# Altium PCB paste1.PcbDoc (part 2 of 3)
Units mil, origin at the board's own origin, x right, y up, seen from the top; angles counter-clockwise.
Board outline 6785.03 x 6005.03 mil, 2 copper layers (Top Layer, Bottom Layer); 232 components, 0 nets, 1158 pads, 462 vias.
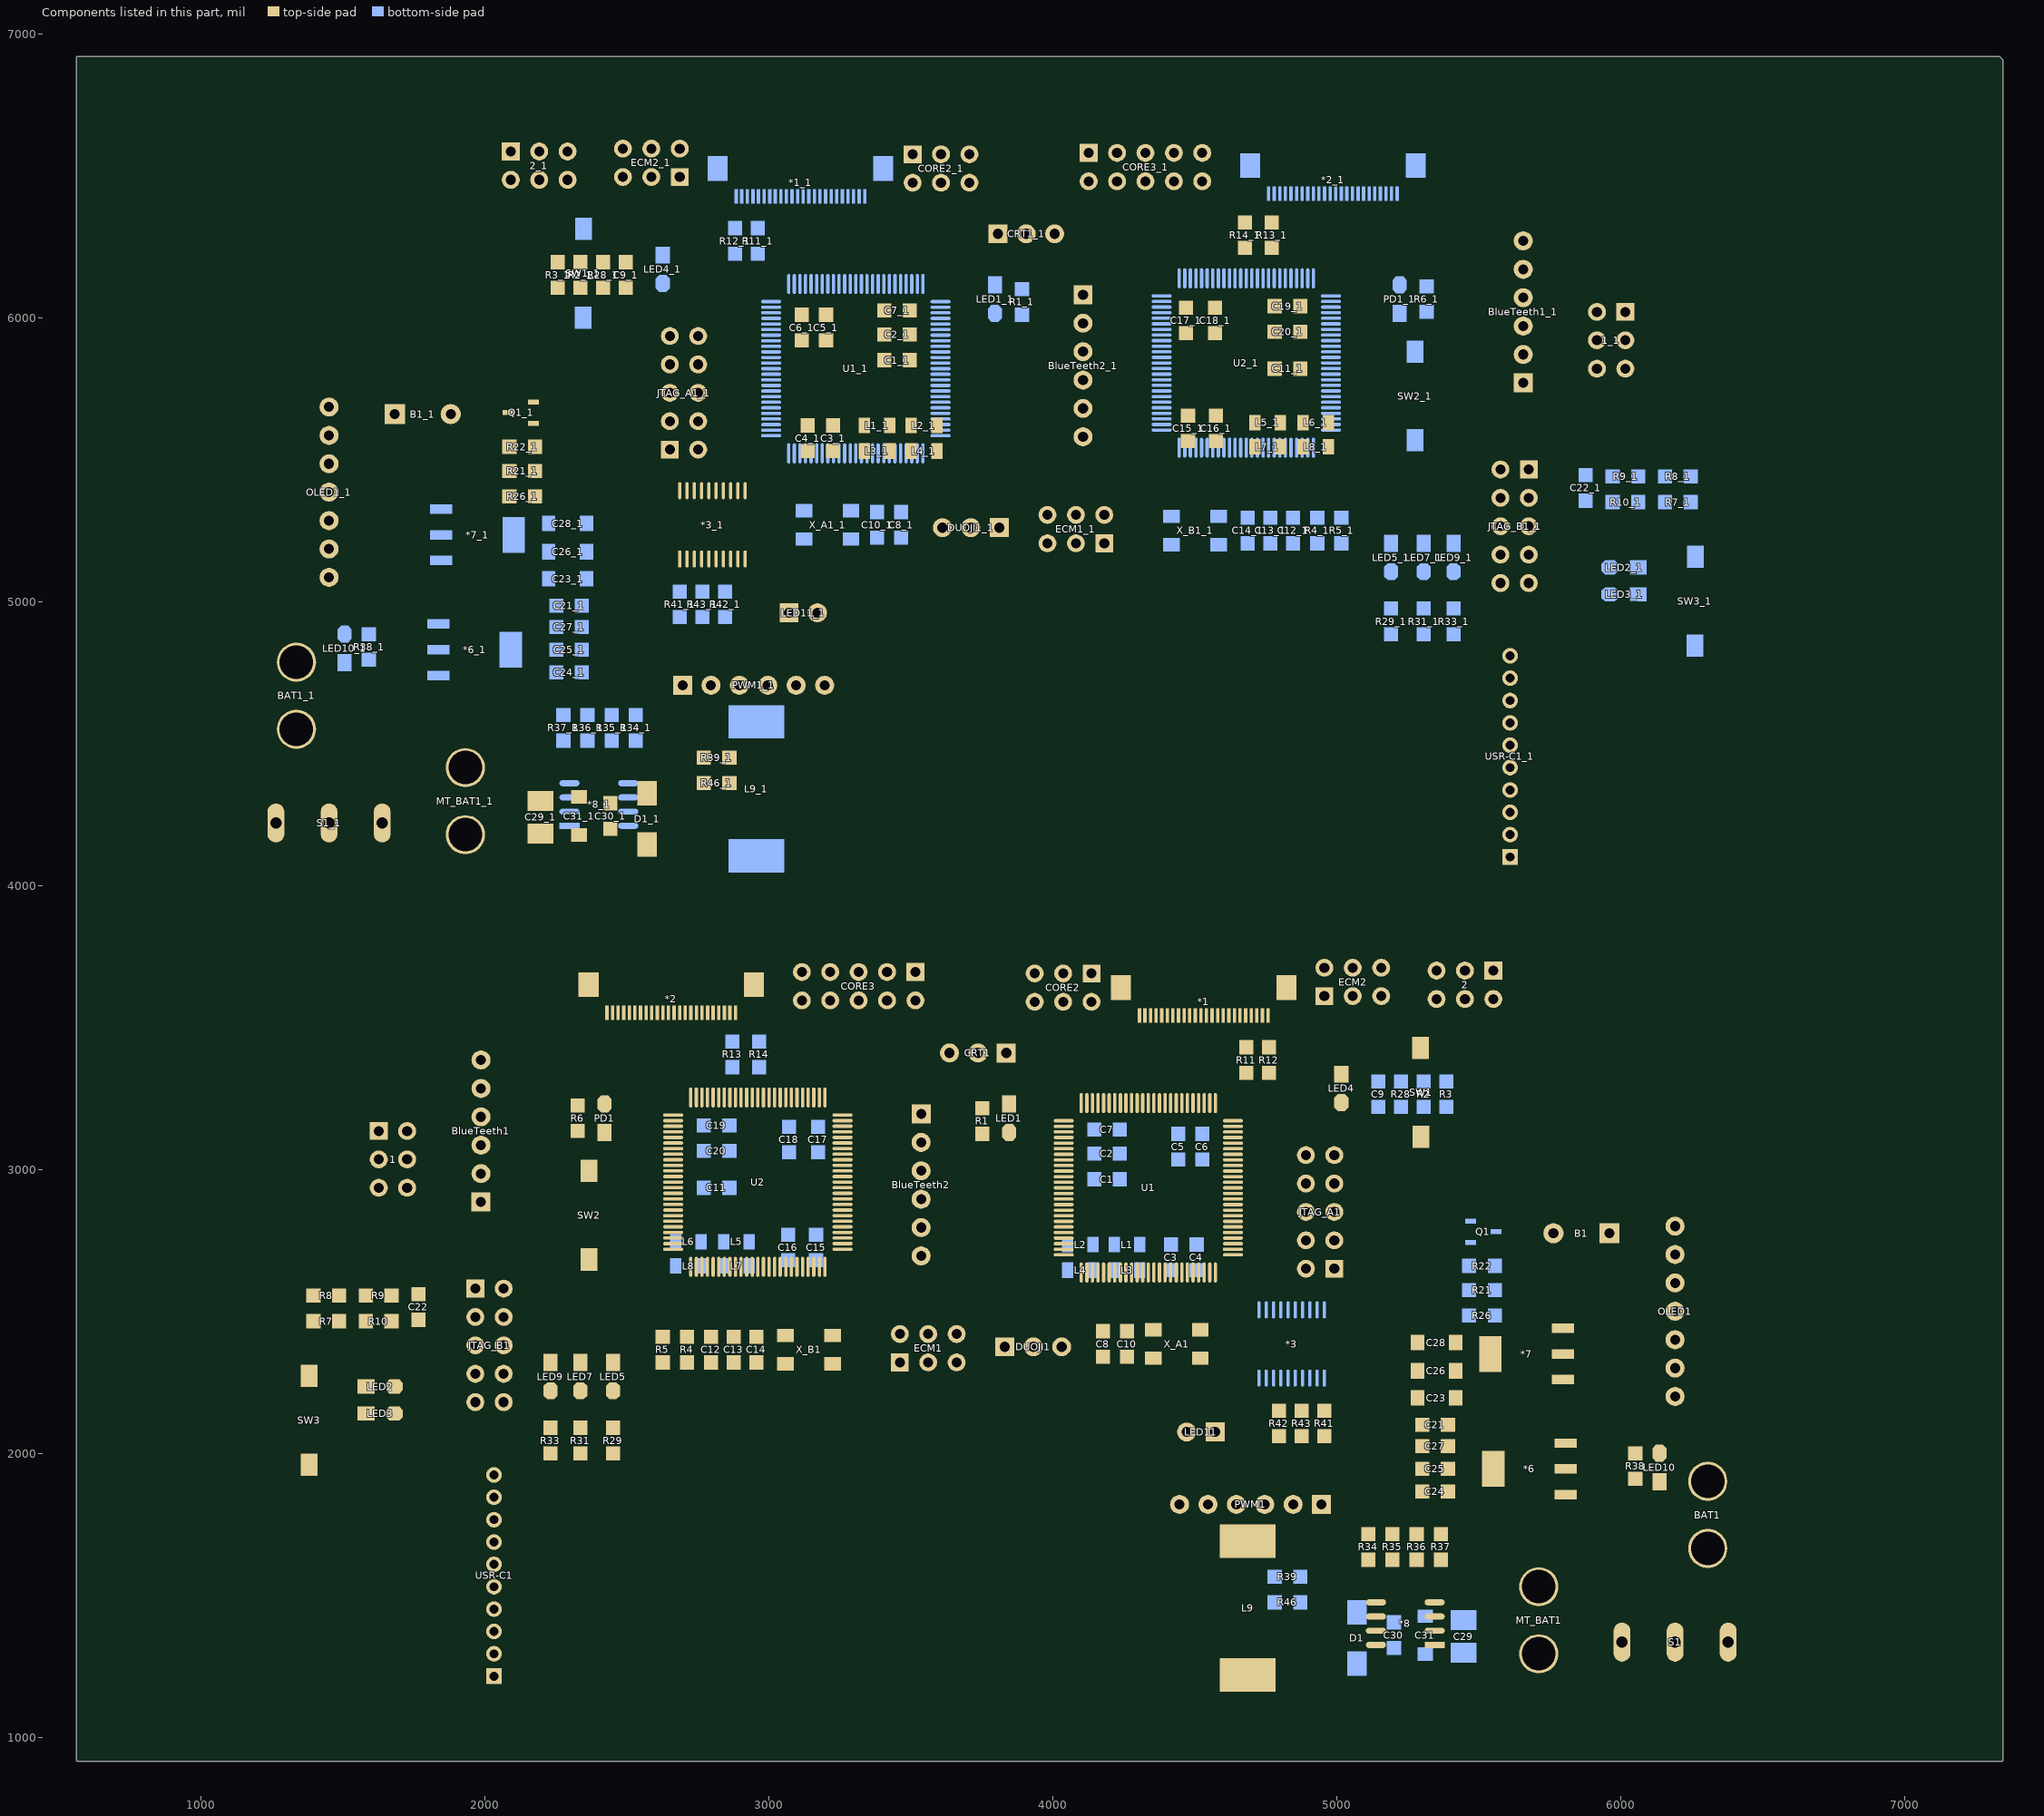
[diagram p2: the components of this part, seen from the top]

## Via types
v1: diameter 23.62, hole 11.81, Top Layer to Bottom Layer, tented both sides, 456 vias
v2: diameter 177.17, hole 157.48, Top Layer to Bottom Layer, tented both sides, 6 vias

## Nets (pads, with @x,y where several pads share a name; then routed paths per layer and width w, separated by ;. In a path a pad name is that pad's centre, name@x,y a point inside that pad or via, vN(x,y) a via of type N, cw(c..) or ccw(c..) an arc to the next point about the centre after c; other vN are vias at no path point) (continued)
copper on no net: | length 318232.1
  Top Layer w10: 1379.21,2272.31 1315,2336.53 1315,2475 1395,2555 ; 1450,5285 1820,5285 2044.09,5509.09 2204.52,5509.09 2390.42,5695 2631.71,5695 2632.93,5693.78 2667.07,5693.78 2668.29,5695 2731.71,5695 2732.93,5693.78 3038.78,5693.78 v1(3070,5725) ; 1450,5385 1668.96,5385 1928.21,5644.25 2089.3,5644.25 2090.29,5645.24 2104.91,5645.24 2107.04,5647.36 2237.36,5647.36 2385,5795 2631.71,5795 2632.93,5793.78 2784.63,5793.78 2785.85,5795 v1(2935,5795) ; 1450,5485 1637.89,5485 1859.23,5706.34 2129.97,5706.34 2298.63,5875 2631.71,5875 2632.93,5876.22 2667.07,5876.22 2668.29,5875 2731.71,5875 2732.93,5876.22 2768.74,5876.22 2819.96,5825 v1(2890,5825) ; 1450,5585 1715.4,5585 1852.64,5722.24 2123.38,5722.24 2296.14,5895 2540.04,5895 2541.26,5893.78 2781.22,5893.78 2825,5850 2930,5850 v1(2935,5845) ; 2031,1451.22 2041.22,1451.22 2180,1590 2180,2590 v1(2220,2630) ; 2031,1529.96 2044.96,1529.96 2165,1650 v1(2165,2625) ; 2031,1608.7 2048.7,1608.7 2150,1710 2150,2598.01 2143.46,2604.54 2143.46,2633.92 2195,2685.46 v1(2195,2690) ; 2085,5370 2175,5460 2416.71,5460 2632.93,5676.22 2767.07,5676.22 2768.29,5675 2925,5675 v1(2930,5670) ; 2175,5545 2410,5780 2625.88,5780 2626.83,5779.06 2900.94,5779.06 2915,5765 3010,5765 3055,5810 3055,5865 3040,5880 v1(2940,5880) ; 2230,2000 2230,1960 v1(2285,1905) ; 2255,6195 2255,6285 v1(2275,6305) ; 2325,3135 2325,3130 2421.27,3033.73 2661.76,3033.73 ; 2335,2000 2400,1935 v1(2555,1935) ; 2335,6105 2335,6030 2400,5965 ; 2365,2995 2365,2830 2710,2485 2710,2410 ; v1(2365,5935) 2370,5935 2400,5965 ; 2365.79,2682.69 2625,2423.47 ; 2415,6090 v1(2455,6050) ; 2415,6195 2460,6150 2730,6150 v1(2940,5940) ; v1(2425,3365) 2467.99,3407.99 2467.99,3551.69 ; 2450,2000 v1(2545,2000) ; 2450,2320 2555,2320 2595,2360 2670,2360 2710,2320 2755,2365 2910,2365 2955,2410 ; 2495,6105 2495,6005 ; v1(2520,3160) 2551.21,3191.21 2661.76,3191.21 ; 2546.73,3551.69 2546.73,3413.27 2580,3380 2900,3380 2979.68,3300.32 2979.68,3253.24 ; v1(2555,3155) 2571.53,3171.53 2661.76,3171.53 ; v1(2565,3120) 2596.84,3151.84 2661.76,3151.84 ; v1(2570,2710) 2570,2720 2588.46,2738.46 2661.76,2738.46 2708.46,2738.46 2760,2790 v1(2760,2820) ; 2625.47,3551.69 2625.47,3464.53 2640.63,3449.37 2927.73,3449.37 3058.43,3318.68 3058.43,3253.24 ; 2723.78,2656.75 2723.78,2616.22 2875,2465 2875,2410 ; 2736.18,5390.16 2736.18,5458.81 v1(2747.37,5470) ; 2750,5535 2855,5535 3115,5275 3280,5275 3280,5392.9 3273.46,5399.43 3273.46,5458.92 3286.08,5471.54 3303.92,5471.54 3305.46,5470 3310,5470 v1(3330,5450) ; 2750,5735 3049.54,5735 3075.17,5760.63 3265.63,5760.63 3280,5775 v1(3300,5775) ; 2787.36,5390.16 2787.36,5467.36 v1(2790,5470) ; 2795,2410 2795,2485 v1(2805,2495) ; v1(2830,5470) 2840,5460 2840,5391.62 2838.54,5390.16 ; v1(2830,6285) 2845,6270 3245,6270 v1(3325,6190) ; v1(2865,2570) 2881.26,2586.26 2881.26,2656.75 ; v1(2875,5900) 2840,5935 2750,5935 2680,6005 2495,6005 ; v1(2880,5470) 2889.72,5460.28 2889.72,5390.16 ; v1(2885,2525) 2900.94,2540.94 2900.94,2656.75 ; 2920.63,2656.75 2920.63,2574.37 2935,2560 v1(2935,2545) ; 2940.32,2656.75 2940.32,2599.68 v1(2950,2590) ; v1(2965,5465) 3085,5585 3264.54,5585 3281.08,5568.46 3357.79,5568.46 3385,5541.25 v1(3385,5450) ; v1(3010,2465) 3010,2515 3078.11,2583.11 3078.11,2656.75 ; v1(3010,6310) 3034.09,6285.91 3282.2,6285.91 v1(3364.06,6204.06) ; v1(3065,2465) 3065,2549.18 3097.8,2581.97 3097.8,2656.75 ; v1(3115,3370) 3115,3365 3137.17,3342.83 3137.17,3253.24 ; v1(3117.48,2467.48) 3117.48,2656.75 ; 3156.85,3253.24 3156.85,3346.85 v1(3160,3350) ; 3176.54,3253.24 3176.54,3321.54 v1(3195,3340) ; 3196.22,2656.75 3196.22,2598.78 3223,2572 3223,2415 ; 3196.22,3253.24 3196.22,3291.22 v1(3230,3325) ; 3258.24,2718.77 3258.24,2713.46 3458.46,2713.46 v1(3470,2725) ; 3258.24,2738.46 v1@3331.54,2738.46 ; 3258.24,2777.83 3422.83,2777.83 3430,2785 v1(3440,2785) ; 3258.24,2797.51 3407.51,2797.51 v1(3410,2800) ; 3258.24,2817.2 3262.3,2813.14 3294.25,2813.14 3295.15,2812.24 3367.24,2812.24 v1(3375,2820) ; 3258.24,2836.88 3323.12,2836.88 v1(3325,2835) ; 3258.24,2856.57 3346.57,2856.57 3440,2950 3745.42,2950 3870.21,3074.79 4034.75,3074.79 ; 3258.24,2876.25 3341.25,2876.25 3505,3040 3812.92,3040 3865.4,3092.47 4036.76,3092.47 ; 3258.79,3033.19 3346.81,3033.19 v1(3355,3025) ; 3260.1,2760 v1(3470,2760) ; v1(3290,2670) 3290,2660 3427.17,2522.83 4447.83,2522.83 4472.8,2547.8 4472.8,2636.75 ; 3405,5850 3430,5825 3430,5690 v1(3450,5670) ; 3425,5530 3500,5530 3540,5570 v1(3540,5580) ; 3425,5620 3500,5620 v1(3500,5665) ; v1(3540,5805) 3645,5805 3810,5640 3810,5260 ; 3560,2320 3618.78,2378.78 3677.07,2378.78 3766.64,2468.35 4386.65,2468.35 4453.35,2401.65 4551.56,2401.65 4633.24,2483.34 4633.24,2698.77 ; 3590,5530 3630,5530 v1(3680,5580) ; v1(3695,5910) 3695,5975 v1(3850,6130) ; 3735,3410 3993.47,3151.53 4036.76,3151.53 ; 3750,3215 3760,3215 v1(3790,3245) ; 3835,3410 4036.76,3208.24 4036.76,3171.21 ; v1(3945,3025) 3956.27,3013.73 4036.76,3013.73 ; v1(3960,2695) 3983.46,2718.46 4036.76,2718.46 4123.46,2718.46 v1(4190,2785) ; 4036.76,2698.77 4040.53,2695 v1(4100,2695) ; 4036.76,2757.83 4117.83,2757.83 v1(4140,2780) ; v1(4100,2920) 4365,2920 4415,2870 4415,2638.01 ; 4125,6480 4125,6190 4165.83,6149.17 4165.83,5649.17 v1(4170,5645) ; 4125,6580 4125,6538.29 4083.78,6497.07 4083.78,6181.9 4148.19,6117.49 4148.19,5631.81 v1(4170,5610) ; v1(4200,5670) 4200,5680 4180.55,5699.45 4180.55,6407.2 4184.72,6411.37 4184.72,6461.98 4183.78,6462.93 4183.78,6497.07 4184.72,6498.02 4184.72,6539.72 4225,6580 ; 4225,6480 4200,6455 4200,6405.82 4195.28,6401.1 4195.28,5719.72 v1(4230,5685) ; v1(4255,2565) 4275.94,2585.94 4275.94,2636.75 ; v1(4265,5705) 4260,5705 4210,5755 4210,6395 4275,6460 4275,6530 4325,6580 ; 4275.94,3233.24 v1(4275.94,3319.06) ; v1(4285,5910) 4294.57,5919.57 4330.43,5919.57 4360,5890 4360,5582.13 4357.28,5579.41 4357.28,5562.28 v1(4350,5555) ; 4295.63,2636.75 4295.63,2845.63 v1(4340,2890) ; 4295.63,3233.24 4295.63,3285.63 v1(4315,3305) ; v1(4305,5620) 4305,5545 4470,5380 v1(4835,5380) 5150,5065 5575,5065 ; v1(4310,2565) 4315.31,2570.32 4315.31,2636.75 ; v1(4315,5720) 4285,5720 4225,5780 4225,6380 4325,6480 ; v1(4410,6210) 4380,6240 4380,6535 4425,6580 ; 4425,6480 4445,6460 v1(4445,6225) ; v1(4480,6235) 4483.78,6238.78 4483.78,6497.07 4525,6538.29 4525,6580 ; v1(4522.52,5352.48) 4522.52,5322.48 5055,4790 v1(5355,4790) ; v1(4525,6255) 4525,6480 ; v1(4570,2840) 4586.25,2856.25 4633.24,2856.25 ; 4571.22,3233.24 4696.76,3233.24 4847.6,3082.4 4847.6,2630.04 v1(4892.63,2585) ; v1(4575,5350) 4575,5330 v1(5085,4820) ; v1(4630,3425) 4675,3425 ; v1(4630,5350) v1(5095,4885) ; 4633.24,2718.46 4637.3,2722.51 4722.51,2722.51 4771.54,2771.54 4771.54,2950.46 4770,2951.99 4770,3015 v1(4765,3015) ; 4633.24,2836.57 4683.43,2836.57 4710,2810 v1(4710,2785) ; 4633.24,2915.31 4699.69,2915.31 v1(4705,2910) ; 4633.24,2934.99 4744.99,2934.99 v1(4750,2940) ; 4633.24,2954.68 4699.68,2954.68 v1(4705,2960) ; 4633.24,3053.1 4698.1,3053.1 v1(4700,3055) ; 4633.24,3092.47 4752.53,3092.47 4790,3055 4790,2615 v1(4760,2585) ; 4633.24,3112.16 4761.94,3112.16 4809.09,3065 4809.09,2585.91 v1(4810,2585) ; 4633.24,3131.84 4768.16,3131.84 4825,3075 4825,2610 v1(4850,2585) ; 4634.2,2995 v1(4700,2995) ; 4657.95,3541.69 4657.95,3477.88 4675,3460.83 4675,3449.17 4660.83,3435 ; v1(4675,2580) 4731.22,2523.78 4931.22,2523.78 4931.22,2867.07 4890,2908.29 4890,2950 ; v1(4690,5475) 4764.54,5475 4766.08,5476.54 4783.92,5476.54 4796.99,5463.46 5575,5463.46 5575,5465 ; 4697.32,3541.69 4697.32,3487.68 4755,3430 4760,3430 4780,3430 v1(4810,3400) ; v1(4705,5430) 4744.54,5430 4746.08,5431.54 4868.46,5431.54 5035,5265 5575,5265 ; v1(4755,5410) 4860,5410 5105,5165 5575,5165 ; v1(4775,5455) 4783.74,5446.26 4874.56,5446.26 4955.82,5365 5575,5365 ; 4780,5820 4780,5810 4880,5710 v1(4880,5705) ; 4970,5545 4986.54,5545 5036.54,5595 v1(5070,5595) ; 5015,3235 5115,3235 v1(5185,3165) ; v1(5075,6005) 5420,5660 v1(5420,5515) ; 5085,1375 5065,1395 5065,1580 5110,1625 5195,1625 ; v1(5085,6040) 5445,5680 v1(5445,5575) ; v1(5120,6045) 5475,5690 v1(5475,5510) ; 5136.65,1475 5205,1475 5280,1550 5280,1625 5365,1625 ; v1(5215,6250) 5595,5870 5655,5870 ; v1(5275,3050) 5275,3095 ; 5301.53,3420 v1(5365,3420) ; 2400,5965 2455,5965 2495,6005
  Top Layer w11.81: 1220,5805 1340,5685 1450,5685 ; 1485,2555 1485,2605 1520,2640 1685,2640 1765,2560 1784.09,2540.91 1814.73,2540.91 1875.64,2480 1965,2480 ; 1580,2140 1580,2235 1395,2420 1395,2465 1449.37,2519.37 1449.37,2592.75 1531.62,2675 1870,2675 1965,2580 ; 1580,2465 1580,2311.26 1620.63,2270.63 1620.63,2199.37 1680,2140 ; 1580,2555 1634.37,2500.63 1634.37,2435.6 1680,2389.97 1680,2235 ; 1985,3185 1940,3230 1940.91,3230.91 1940.91,3303.26 1966.74,3329.09 2003.26,3329.09 2005.43,3326.93 2798.07,3326.93 2822.2,3302.8 2822.2,3253.24 ; 1985,3285 2025,3285 2050,3310 2791.62,3310 2802.52,3299.1 2802.52,3253.24 ; 2085,5545 2167.6,5627.6 ; v1(2170,5235) 2170,5365 2175,5370 2385,5370 2650,5635 ; 2172.6,5705 2205,5705 v1(2235,5735) ; 2190,6585 2190,6544.58 2147.87,6502.45 2147.87,6102.13 v1(2195,6055) 2205,6055 2255,6105 ; 2325,3230 2420,3230 ; 2335,6195 2335,6260 2375,6300 v1(2500,6300) 2680,6300 2915,6065 v1(2915,6045) 3165,6045 3200,6010 ; 2487.68,3551.69 2490.83,3554.84 2490.83,3587.91 2523.9,3587.91 2605.98,3670 2826.34,3670 2900.28,3596.06 2948.94,3596.06 v1(3015,3530) 3170,3375 3600,3375 3635,3410 ; 2495,6195 2495,6240 v1(2525,6270) ; 2507.36,3551.69 2507.36,3392.64 2556.54,3343.46 2811.54,3343.46 2841.89,3313.11 2841.89,3253.24 ; v1(2515,3255) 2515,3225 2420,3130 2505,3130 2581.58,3053.42 2661.76,3053.42 2708.42,3053.42 v1(2720,3065) ; 2527.05,3551.69 2527.05,3402.95 2570,3360 2818.38,3360 2861.57,3316.81 2861.57,3253.24 ; 2566.42,3551.69 2566.42,3423.58 2590,3400 2902.1,3400 2999.37,3302.73 2999.37,3253.24 ; v1(2575,2760) 2576.86,2758.14 2661.76,2758.14 ; 2585,6495 2585,6471.54 2881.54,6175 v1(3030,6175) ; 2586.1,3551.69 2586.1,3438.9 2607.8,3417.2 2908.28,3417.2 3019.06,3306.43 3019.06,3253.24 ; 2588,6595 2588,6588.39 2641.69,6534.7 2641.69,6443.31 2806.38,6278.62 2806.38,6275.22 2882.97,6198.62 3086.38,6198.62 v1(3090,6195) ; 2605.79,3551.69 2605.79,3454.21 2626.26,3433.74 2921.26,3433.74 3038.74,3316.26 3038.74,3253.24 ; 2625,2320 2625,2260 2660,2225 2745,2225 2795,2275 2795,2315 2800,2320 2875,2320 2960,2320 2960,2270 2995,2235 3143,2235 3223,2315 3455,2315 ; v1(2645,5085) 2645,5110 2685,5150 ; 2645.16,3551.69 2645.16,3474.84 2655,3465 2934.21,3465 3078.11,3321.1 3078.11,3253.24 ; 2650,5535 2650,5465 2685,5430 2685,5390.16 2685,5303.74 2729.37,5259.37 3314.37,5259.37 v1(3320,5265) ; 2661.76,2718.77 2680,2700.53 v1(2680,2600) ; 2661.76,2777.83 2707.83,2777.83 2720,2790 v1(2720,2805) ; 2661.76,3033.73 2721.27,3033.73 2730,3025 v1(2730,3020) ; 2664.84,3551.69 2664.84,3491.69 2675,3481.54 2941.06,3481.54 3097.8,3324.8 3097.8,3253.24 ; 2684.53,3551.69 2684.53,3505.47 2691.93,3498.07 2947.91,3498.07 3117.48,3328.5 3117.48,3253.24 ; 2695,4705 2695,4770 2685,4780 2685,5150 ; 2710.59,5150 2710.59,4994.41 2795,4910 2795,4705 ; 2710.59,5390.16 2710.59,5344.41 2720,5335 2753.54,5335 2761.77,5343.23 ; 2736.18,5150 2736.18,5213.82 ; 2750,5635 3070,5635 3180,5745 3345,5745 v1(3370,5720) ; 2761.77,5150 2761.77,5003.23 2895,4870 2895,4705 ; 2761.77,5390.16 2761.77,5343.23 ; 2782.95,3551.69 v1(2782.95,3622.95) ; 2787.36,5150 2787.36,5212.64 ; 2802.52,2656.75 2802.52,2737.52 2830,2765 v1(2885,2765) ; 2812.95,5390.16 2812.95,5347.05 ; 2815,5147.95 2815,5000 2995,4820 2995,4705 ; 2822.32,3551.69 v1(2822.32,3617.68) ; 2838.54,5150 2840,5151.46 2840,5215 ; 2864.13,5390.16 2864.13,5350.87 ; 2865,5149.13 2865,5000 3095,4770 3095,4705 ; v1(2890,3310) 2890,3297.41 2900.94,3286.46 2900.94,3253.24 ; 2915.31,5150 2889.72,5150 2889.72,5215.28 2875,5230 2855,5230 2840,5215 ; 2915.31,5390.16 2915.31,5389.69 ; 2920.63,3253.24 v1(2920.63,3310.63) ; 2940.32,3253.24 2940.32,3205.32 2845,3110 v1(2815,3110) 2820,3105 v1(3105,3105) 3105,2975 3125,2955 ; v1(2955,3180) 2960,3185 2960,3253.24 ; v1(2970,6095) v1(2970,6145) ; 2999.37,2656.75 2999.37,2564.37 2990,2555 2990,2476.74 2955,2441.74 2955,2410 3052,2410 ; 3000,2657.38 v1(3000,2730) ; v1(3000,5305) 2915.31,5389.69 ; 3019.06,2656.75 3019.06,2709.06 v1(3035,2725) 3130,2820 v1(3130,2895) 3203.12,2895 ; 3057,2415 3112,2360 3255,2360 3315,2420 3460,2420 ; v1(3080,5795) 3078.19,5796.81 3078.19,5973.19 3115,6010 3200,6010 ; v1(3088.46,5608.46) 3100,5620 3135,5620 3225,5620 3235,5610 v1(3260,5610) ; v1@3100,5450 v1(3100,5455) 3106.3,5455 3135,5483.7 3135,5530 ; v1(3115,5790) 3115,5920 3200,5920 ; 3135,5549.37 3135,5530 ; 3156.85,2656.75 3156.85,2716.85 3160,2720 3200,2720 v1(3205,2725) ; v1(3160,5965) 3200,5925 3200,5920 ; v1(3165,2405) v1(3165,2565) 3176.54,2576.54 3176.54,2656.75 ; v1(3165,5825) 3295,5825 3377.56,5742.44 3379.3,5742.44 3405,5716.74 3405,5690 3335,5620 ; v1(3170,2955) 3125,2955 ; v1(3175,3010) 3195,3010 3199.05,3014.05 3258.24,3014.05 ; v1(3190,3100) 3190,3136.51 3221.87,3168.38 3255.09,3168.38 3258.24,3171.53 ; v1(3200,3190) 3201.21,3191.21 3258.24,3191.21 3328.79,3191.21 3425,3095 3535,3095 3648.74,3095 3714.37,3160.63 3775.63,3160.63 3845,3230 3875,3230 v1(3955,3150) ; 3204.06,2895.94 3258.24,2895.94 ; v1(3235,2665) 3235,2660 3410,2485 4490,2485 4512.17,2507.17 4512.17,2636.75 ; v1(3240,5300) 3150,5390 3150,5440 3176.56,5466.56 v1(3193.44,5466.56) 3216.56,5466.56 3225,5475 3225,5530 3135,5530 ; v1(3250,5440) 3250,5457.56 3279.61,5487.17 3292.17,5487.17 3335,5530 ; 3258.24,2915.62 3164.38,2915.62 3125,2955 ; v1(3260,2685) 3260,2662.72 3420,2502.72 4457.72,2502.72 4492.48,2537.48 4492.48,2636.75 ; 3260.14,3075 v1(3360,3075) ; 3260.21,3051.45 3296.56,3051.45 3296.56,3050 v1(3390,3050) ; v1(3290,5590) 3305,5590 3335,5620 ; v1(3295,5450) 3295,5400 3400,5295 3582.64,5295 3591.74,5304.09 3628.26,5304.09 3637.36,5295 3682.64,5295 3691.74,5304.09 3728.26,5304.09 3765.91,5266.45 3765.91,5222.13 3793.04,5195 3845,5195 3910.42,5260.42 3910.42,5295 3962.55,5347.13 3997.45,5347.13 4014.58,5330 4055,5330 4080,5305 ; v1(3305,6050) 3330,6025 3405,6025 3405,5940 ; 3385,5920 3200,5920 ; v1(3400,5330) 3480,5410 v1(3480,5465) ; 3410,5940 v1(3450,5900) ; v1(3460,5575) 3453.13,5581.87 3400.6,5581.87 3362.47,5620 3335,5620 ; 3495,5850 3495,5790 3590,5695 3590,5620 v1(3705,5620) ; 3535,2895 3570,2895 3926.54,2538.46 4183.46,2538.46 4216.89,2571.89 4216.89,2636.75 ; v1(3545,5330) 3580,5365 v1(3580,5480) ; v1(3685,6035) 3568.42,5918.42 v1(3546.58,5918.42) 3525,5940 3495,5940 3495,6025 3480,6025 3440,6065 v1(3360,6065) 3323.41,6065 3314.78,6073.62 3263.62,6073.62 3200,6010 ; 3750,3125 3840,3125 3845,3130 ; v1(3805,2725) 3805,2715 3965,2555 4175,2555 4197.2,2577.2 4197.2,2636.75 ; v1(3835,5610) 3905,5680 4105,5680 ; v1(3850,6130) 4100,5880 4105,5880 ; v1(3935,2735) 3938.14,2738.14 4036.76,2738.14 ; 3935,3590 3935,3585 4050,3470 4050,3345 4098.78,3296.22 4098.78,3233.24 ; 3935,3690 3935,3649.58 3977.13,3607.45 3977.13,3582.87 4070,3490 4070,3360 4118.46,3311.54 4118.46,3233.24 ; 4030,2375 4065,2340 4175,2340 4260,2340 4350,2250 4433,2250 4518,2335 4555,2335 v1(4640,2420) ; 4035,3590 4035,3580 4090,3525 4090,3365 4138.15,3316.85 4138.15,3233.24 ; 4035,3690 4035,3649.58 4077.13,3607.45 4077.13,3567.87 4118.46,3526.54 4118.46,3371.54 4157.83,3332.17 4157.83,3233.24 ; 4036.76,3013.73 4079.7,3013.73 4083.63,3009.8 4184.8,3009.8 v1(4190,3015) ; 4036.76,3033.42 v1(4093.42,3033.42) ; v1(4060,2595) 4060,2597.97 4098.78,2636.75 ; v1(4095,2445) 4110,2430 4175,2430 ; 4135,3590 4135,3385 4177.52,3342.48 4177.52,3233.24 ; 4135,3690 4135,3649.58 4197.2,3587.37 4197.2,3233.24 ; v1(4160,2580) 4177.52,2597.52 4177.52,2636.75 4180,2639.23 v1(4180,2690) ; 4216.89,3233.24 4216.89,3326.94 4319.25,3429.31 4319.25,3429.36 4382.36,3492.47 4382.36,3541.69 ; 4236.57,3233.24 4236.57,3321.57 4336.97,3421.97 4336.97,3422.02 4402.05,3487.1 4402.05,3541.69 ; v1(4240,2445) 4240,2450 4260,2430 4265,2430 ; v1@4248.62,5936.38 4368.62,5936.38 4380,5925 v1(4380,5570) ; 4256.26,2636.75 4256.26,2821.26 v1(4270,2835) ; v1(4280,3180) 4300,3180 4315.31,3195.32 4315.31,3233.24 ; v1(4280,5960) 4390,5960 4405,5945 v1(4405,5550) ; v1(4320,2380) 4315,2380 4265,2430 ; v1(4335,3165) 4335,3233.24 ; 4342.99,3541.69 4342.99,3667.99 4397.72,3722.72 4867.34,3722.72 4880.05,3710 4955,3710 5011.69,3653.31 5011.69,3566.69 5050,3528.39 5050,3415 ; v1(4345,2565) 4354.69,2574.68 4354.69,2636.75 ; 4347,2430 4265,2430 ; v1(4350,2705) 4362.28,2692.72 4362.28,2692.66 4374.37,2680.57 4374.37,2636.75 ; 4352,2435 4380,2435 v1(4400,2415) ; 4354.69,3233.24 4354.69,3414.68 4421.73,3481.73 4421.73,3541.69 ; 4362.68,3541.69 4362.68,3647.68 4420,3705 4860,3705 4955,3610 4955,3455 4840,3340 4760,3340 4680,3340 ; 4374.37,3233.24 4374.37,3409.32 4441.42,3476.36 4441.42,3541.69 ; v1(4380,2725) 4380,2700 4394.06,2685.94 4394.06,2636.75 4394.06,2559.06 v1(4390,2555) ; 4394.06,3233.24 4394.06,3403.95 4461.1,3470.99 4461.1,3541.69 ; 4413.74,3233.24 4413.74,3398.58 4480.79,3465.62 4480.79,3541.69 ; 4430,5075 4475,5120 v1(4475,5290) ; 4433.43,3233.24 4433.43,3393.21 4500.47,3460.25 4500.47,3541.69 ; v1(4435,5610) 4435,5615 4475,5655 ; v1(4440,6075) 4468,6047 4468,6035 4570,6035 4570,6025 v1(4535,5990) ; v1(4446.56,2581.56) 4453.11,2588.11 4453.11,2636.75 ; v1(4450,5985) 4450,5963 4468,5945 4570,5945 ; 4453.11,3233.24 4453.11,3387.84 4520.16,3454.88 4520.16,3541.69 ; v1(4465,5895) 4520,5895 4570,5945 ; v1(4470,5840) 4475,5835 4475,5655 ; 4472.8,3233.24 4472.8,3382.47 4539.84,3449.51 4539.84,3541.69 ; v1(4475,2940) 4530,2940 v1(4560,2910) 4574.38,2895.62 4633.24,2895.62 ; v1(4475,5450) 4475,5565 4573,5565 ; v1(4480,3080) 4551.53,3151.53 ; 4492.48,3233.24 4492.48,3377.1 4559.53,3444.14 4559.53,3541.69 ; v1(4510,5780) 4570,5840 4570,5945 ; 4518,2435 4571.22,2488.22 4571.22,2636.75 ; 4531.85,2636.75 4533.82,2634.78 4533.82,2576.18 v1(4540,2570) ; 4531.85,3233.24 4531.85,3291.85 v1(4550,3310) ; 4551.54,2636.75 v1(4551.54,2723.46) 4525,2750 v1(4525,2905) 4533.26,2905 4559.18,2879.09 4628.22,2879.09 4632.31,2875 ; 4551.54,3233.24 4551.54,3276.54 4565,3290 v1(4610,3290) ; v1(4605,5610) 4573,5578 4573,5565 ; v1(4625,6415) 4675,6365 4675,6335 4770,6335 ; 4633.24,3151.53 4551.53,3151.53 ; 4634.46,3170 4667.69,3170 4677.69,3160 v1(4725,3160) ; v1(4640,5615) 4600,5655 ; v1(4670,3210) 4665,3215 4630,3215 4602.75,3187.75 4587.75,3187.75 4551.53,3151.53 ; v1(4670,3260) 4670,3330 ; v1(4685,6065) 4710,6040 4780,6040 4780,5950 ; 4710,5545 4700,5555 4583,5555 4573,5565 ; v1(4719.37,6195.63) 4590,6325 4590,6445 4647.68,6502.68 v1(4817.68,6502.68) ; v1(4750,6195) 4750,6205 4770,6225 ; v1(4755,5650) 4735,5630 4710,5630 4685,5655 4600,5655 ; 4770,6245 4845,6245 4857.05,6257.05 v1(4857.05,6507.95) ; 4800,5545 4880,5545 4940,5485 v1(4960,5485) ; 4800,5630 4880,5630 4920,5670 v1(4920,5690) ; v1(4825,5995) 4870,6040 4870,5950 v1(4920,5950) ; 4870,5820 4970,5720 4970,5630 ; v1(4910,5905) 4900,5905 4890,5895 4835,5895 4780,5950 ; 4945,1820 5030,1820 5115,1905 5390,1905 ; 4955,2150 4995,2190 v1(4995,2200) ; 4985,5645 v1(5065,5645) ; 4990,2750 4990,2850 v1(5405,2850) ; 5015,3335 5015,3380 5050,3415 ; v1(5115,3385) 5230,3385 v1(5445,3170) ; v1(5125,6140) 5125,6170 5140,6185 5140,6200 5170,6230 5195,6230 v1(5215,6250) ; v1(5140,3415) 5050,3415 ; v1(5470,2350) 5540,2350 ; 2685,5150 2685,5205 2705,5225 2725,5225 2736.18,5213.82 ; 2736.18,5213.82 2747.36,5225 2775,5225 2787.36,5212.64 ; 2761.77,5343.23 2770,5335 2790,5335 2802.05,5347.05 2812.95,5347.05 ; 2787.36,5212.64 2792.64,5212.64 2805,5225 2830,5225 2840,5215 ; 2812.95,5347.05 2823.27,5336.73 2850,5336.73 2864.13,5350.87 ; 2864.13,5350.87 2880,5335 2905,5335 2915.31,5345.31 2915.31,5389.69 ; 4475,5655 4573,5655 4600,5655 ; 4570,5945 4575,5950 4780,5950
  Top Layer w15: 1380,1960 1495,1960 1580,2045 2084.5,2045 2100,2029.5 2100,1984.78 2078.6,1963.39 1983.39,1963.39 1945,1925 1945,1463.48 2036,1372.48 ; 1485,2465 1485,2390 v1(1520,2355) ; 1670,2465 1710,2425 v1(1710,2405) ; 1670,2555 1702.71,2555 1734.94,2522.78 1807.22,2522.78 1890,2440 1890,2145 1935,2100 2115,2100 2132.78,2082.22 2132.78,1941.7 2036,1844.92 ; v1(1745,2355) 1765,2375 ; 1765,2470 1765,2375 ; 1869.37,2045 1765,2149.37 1765,2375 ; 5604,4808.66 5536.34,4808.66 5510,4835 5510,4900 5540,4930 5700,4930 5785,5015 5785,5185 5890,5290 v1(5930,5290) ; v1(5895,5240) v1(6120,5240)